# Altium PCB EEGV3.0.PcbDoc (part 1 of 2)
Units mm, origin at the board's own origin, x right, y up, seen from the top; angles counter-clockwise.
Board outline 93 x 76.97 mm, 2 copper layers (Top Layer, Bottom Layer); 182 components, 138 nets, 724 pads, 593 vias.
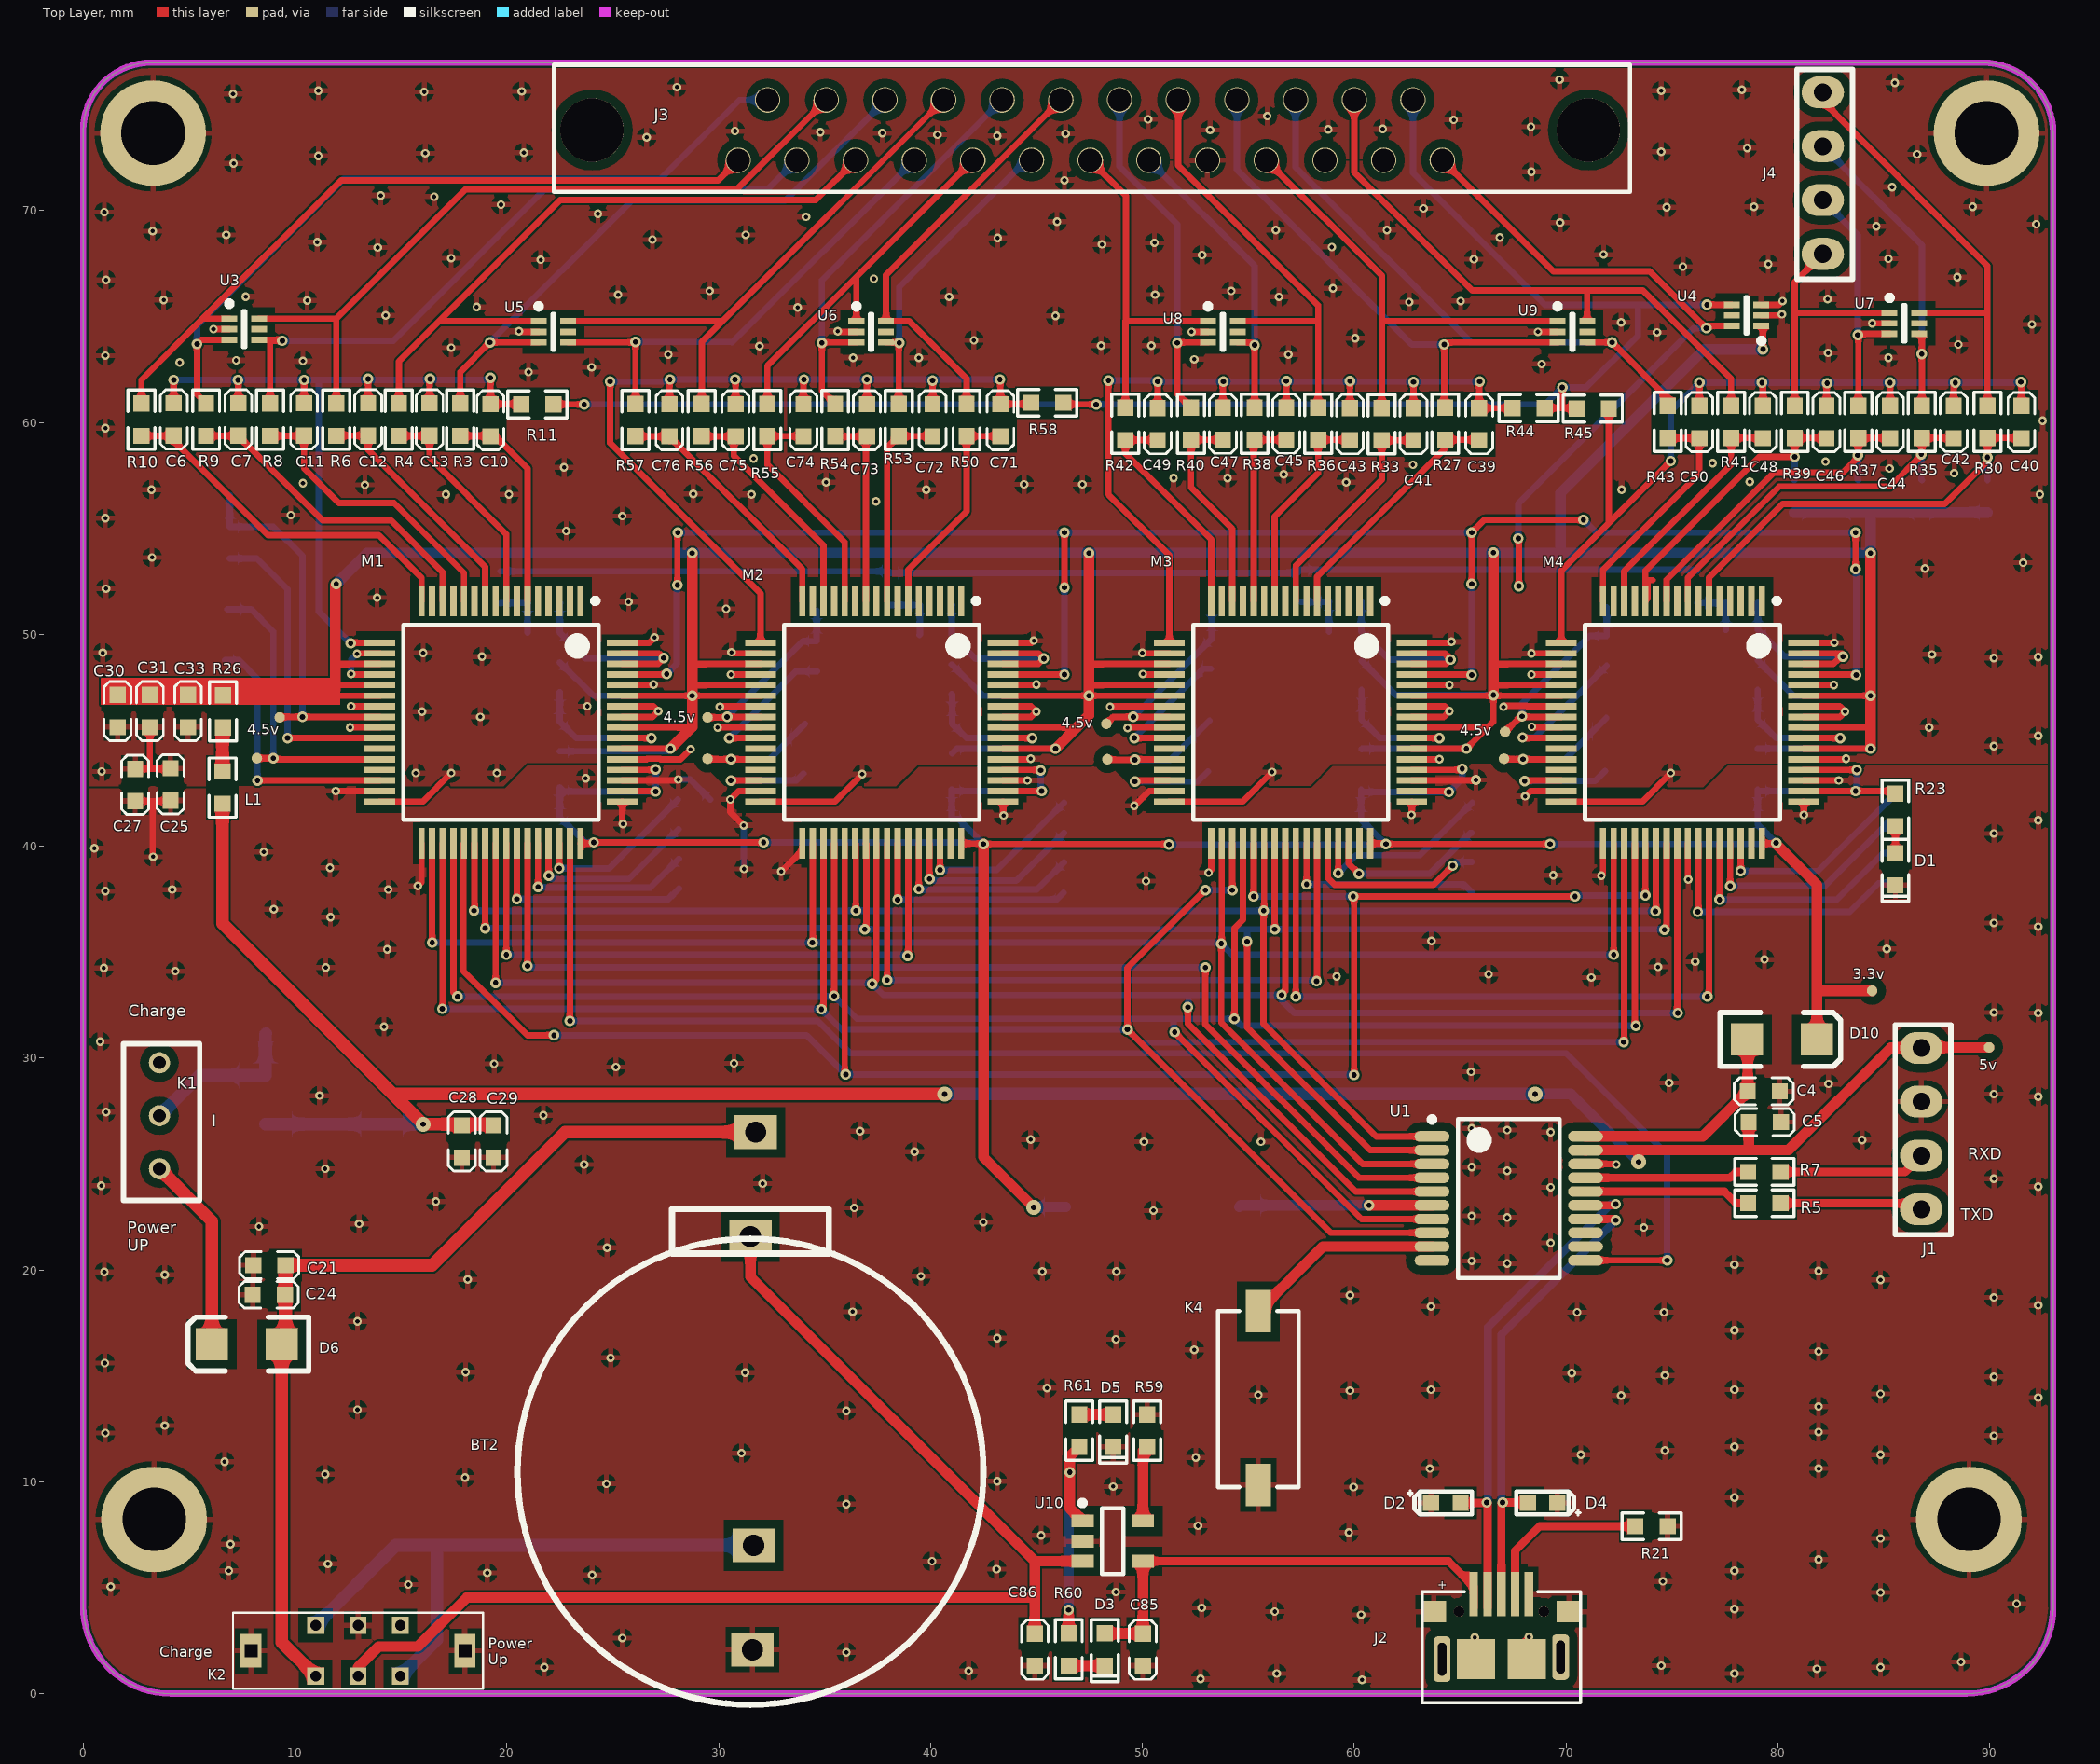
[diagram p0: Top Layer view]
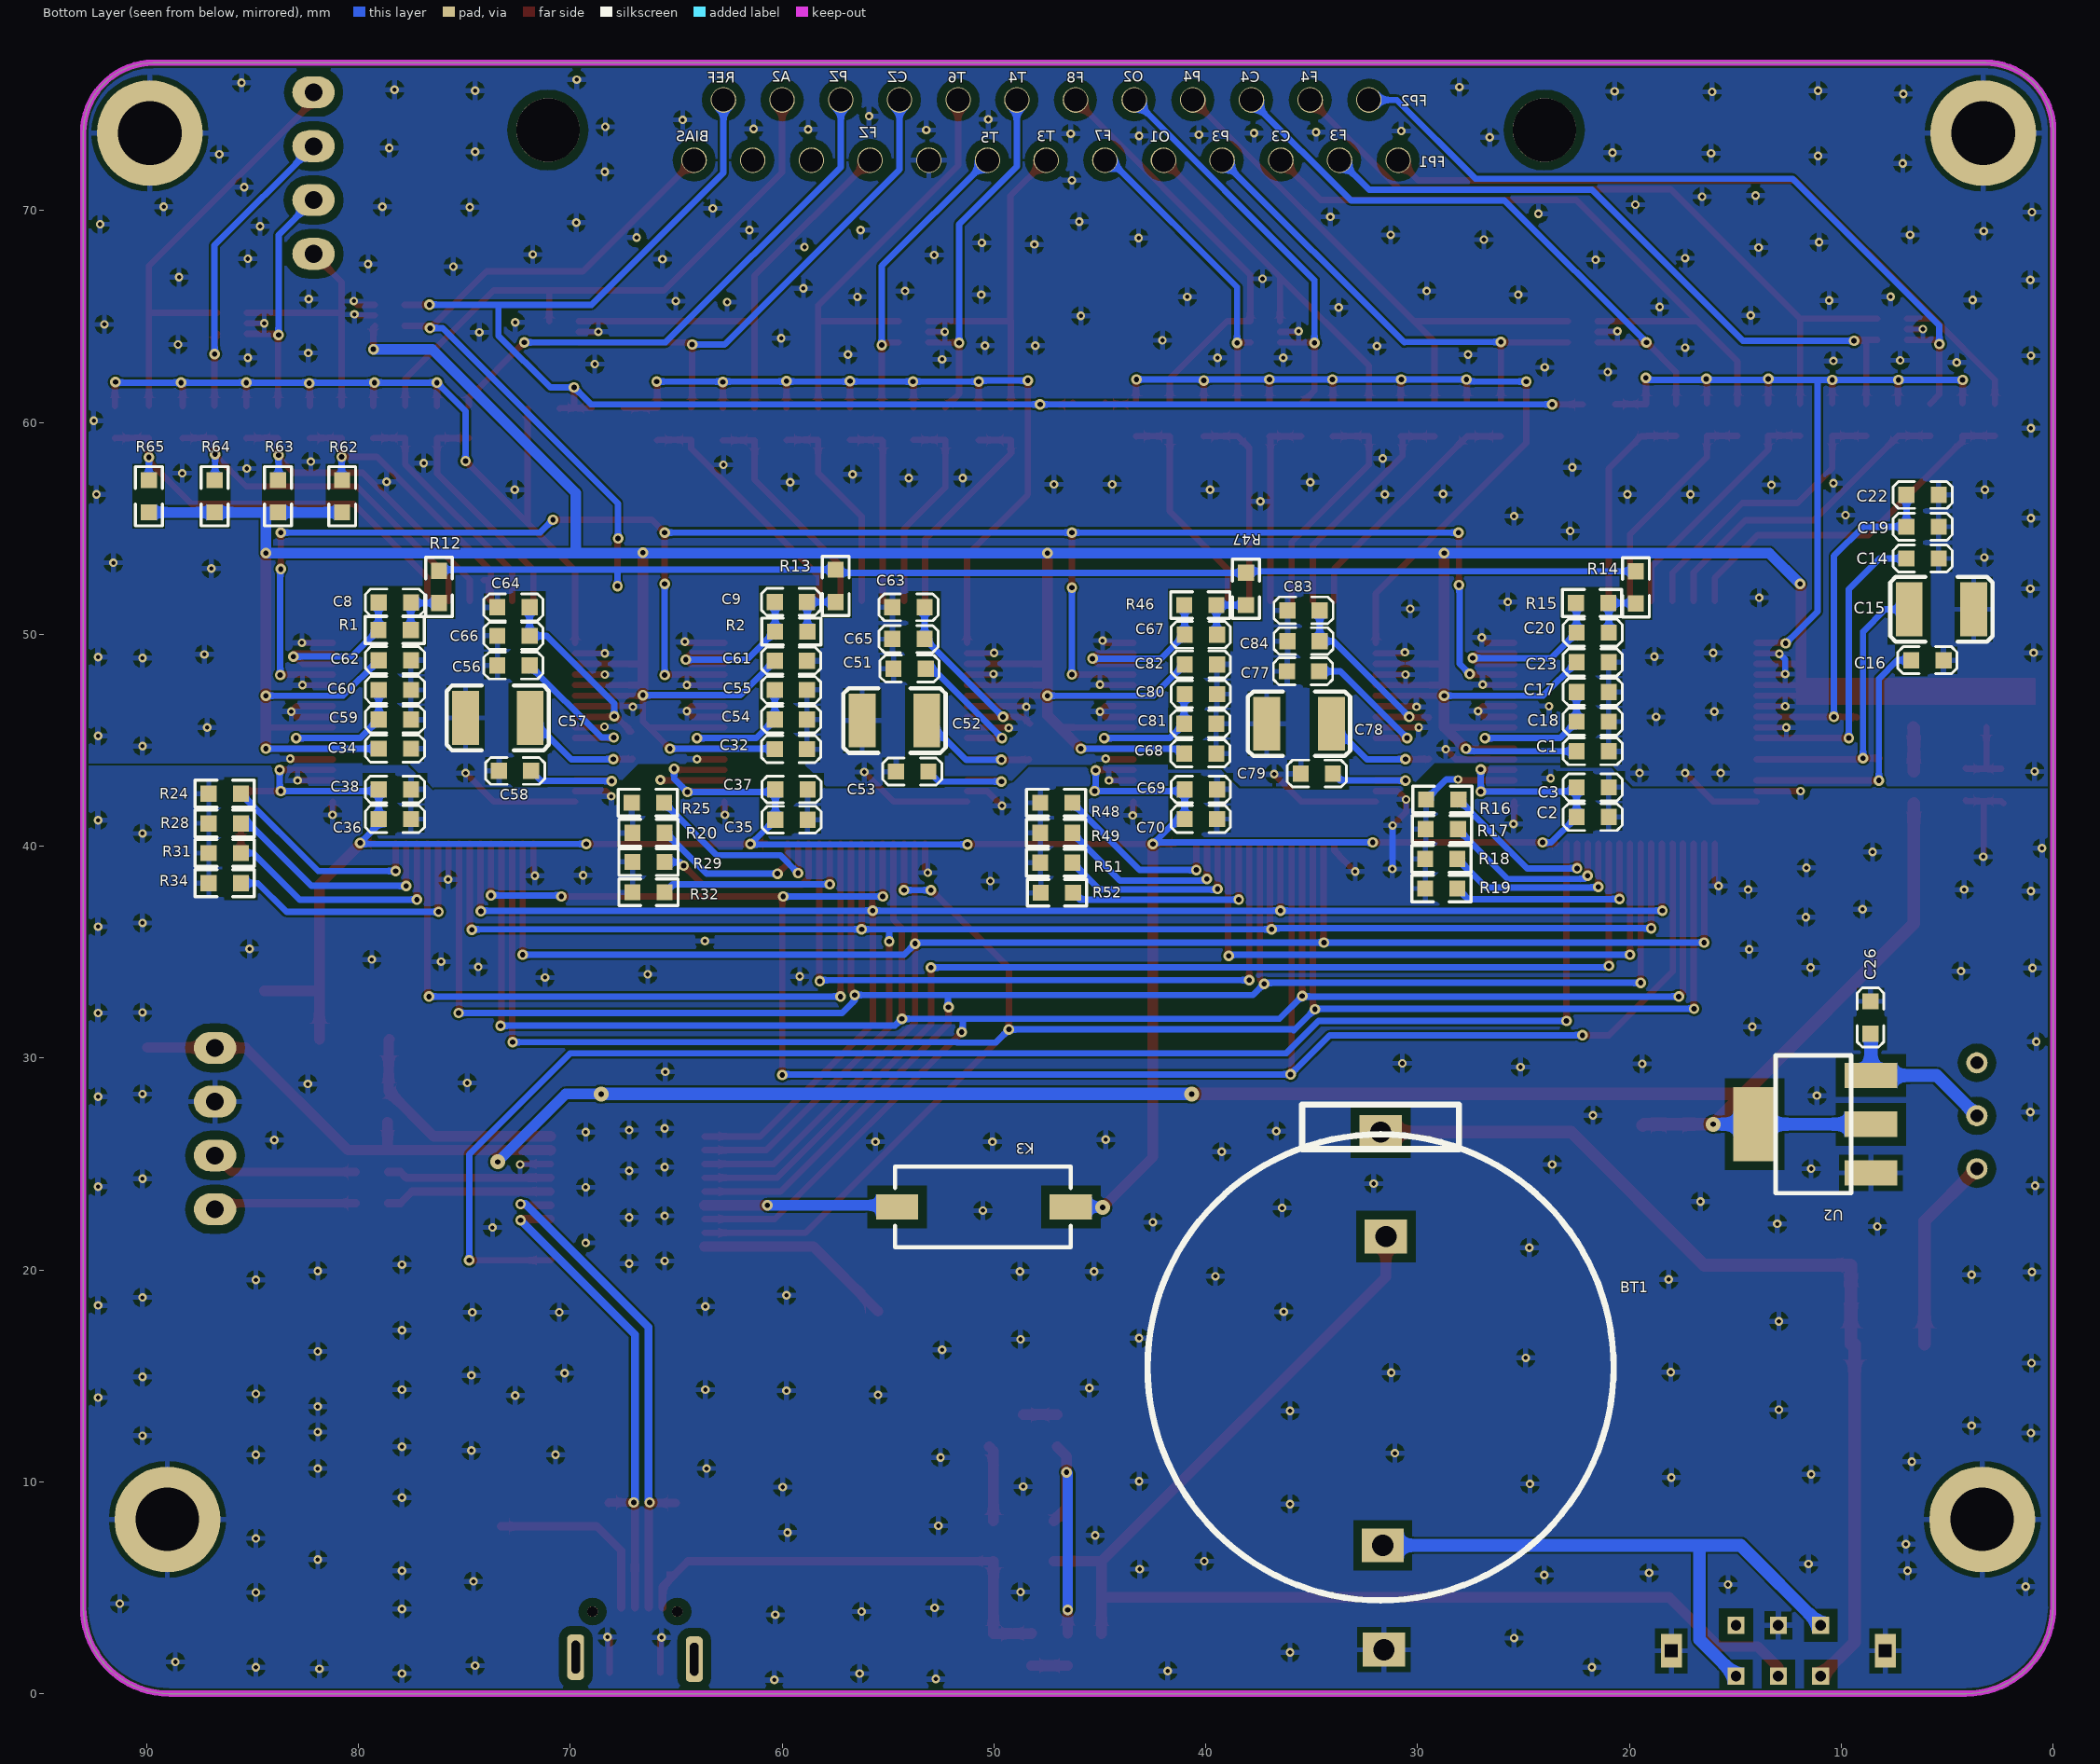
[diagram p1: Bottom Layer view, seen from below]
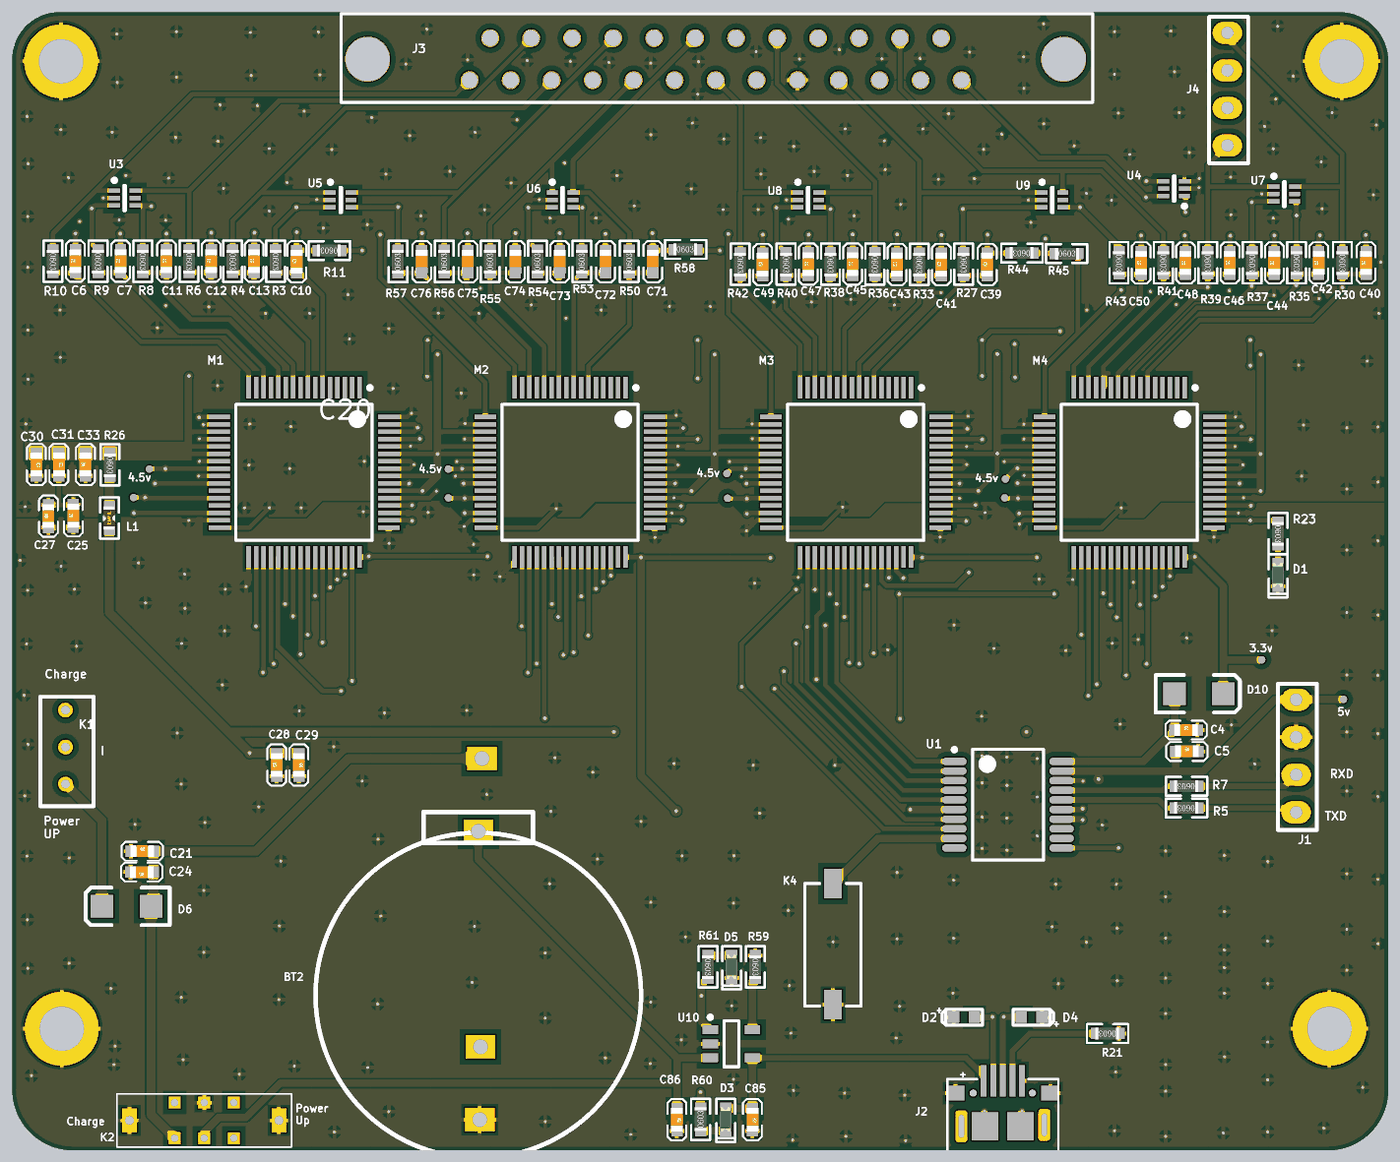
[diagram p3: 3D render of the assembled board from above, using the file's embedded part models]
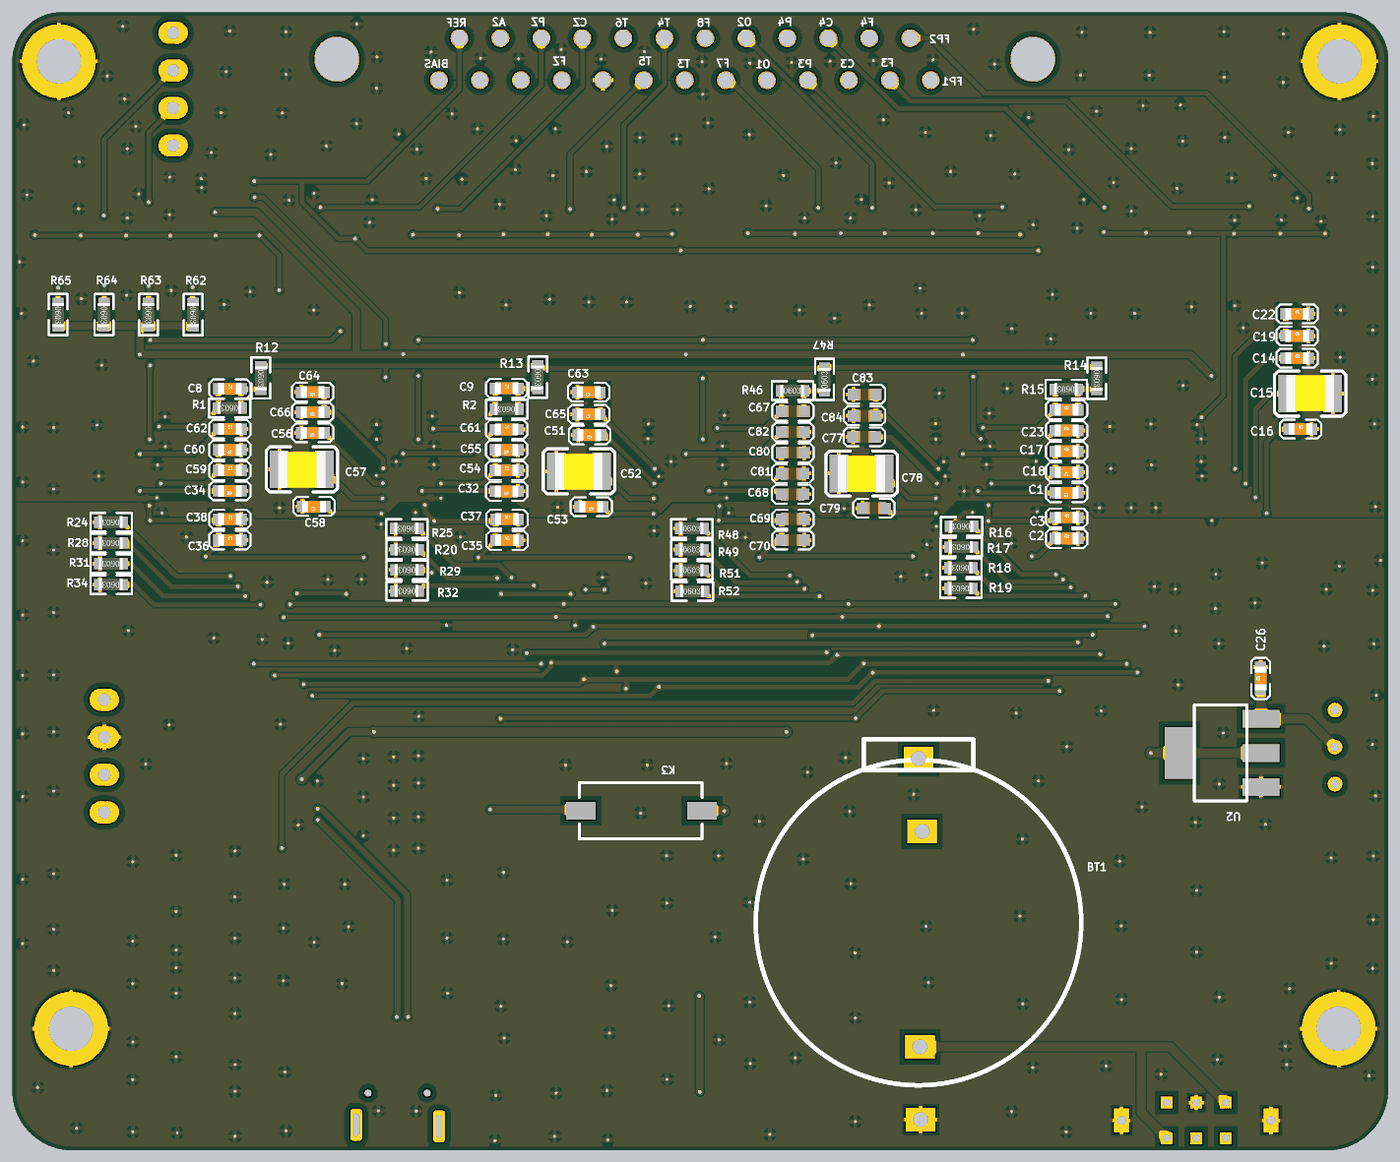
[diagram p4: 3D render of the assembled board from below, using the file's embedded part models]

## Layer stack, top to bottom
Top Solder: solder mask 0.0102, Solder Resist, Dk 3.5
Top Layer: signal copper 0.0356
Dielectric 1: dielectric 0.32, FR-4, Dk 4.8
Bottom Layer: signal copper 0.0356
Bottom Solder: solder mask 0.0102, Solder Resist, Dk 3.5

## Board outline
0,4.125 0,73.775 cw(c3.2,73.775) 3.2,76.975 89.675,76.975 cw(c89.675,73.65) 93,73.65 93,4.075 cw(c88.925,4.075) 88.925,0 4.125,0 cw(c4.125,4.125)

## Design rules (kind name [scope] priority, off if disabled: settings)
Clearance [All] p1: gap=0.1 except(0.4: SMDPad-Poly THPad-Poly)
HoleSize [All] p1: absolutevalues=TRUE maxlimit=2.54 minlimit=0 maxpercent=80.000 minpercent=20.000
HoleToHoleClearance [All] p1: gap=0 allowstackedmicrovias=TRUE
MinimumSolderMaskSliver [All] p1: minsoldermaskwidth=0
PlaneConnect [ISVIA] p1: planeconnectstyle=Relief reliefexpansion=0.508 reliefentries=4 reliefconductorwidth=0.254 reliefairgap=0.254
PolygonConnect [All] p1: connectstyle=Relief reliefconductorwidth=0.254 reliefentries=4 polygonreliefangle="90 Angle" airgapwidth=0.254
RoutingVias [All] p1: holewidth=0.254 width=0.5 viastyle="Through Hole" minholewidth=0.254 minwidth=0.5 maxholewidth=0.3 maxwidth=0.8
SilkToSilkClearance [All] p1: silktosilkclearance=0
SilkToSolderMaskClearance [IsPad] p1: minsilkscreentomaskgap=0 clearancetoexposedcopper=TRUE
SolderMaskExpansion [All] p1: expansion=0.102
Width [All] p1: maxlimit=0.8 minlimit=0.254 preferedwidth=0.5
24 further rules are at their usual default settings.

## Components (designator, comment, footprint, x,y, rotation, side; value= is the part's Value field where it differs from the comment)
BT1 "Li-battery" LIR2032 31.75,26.5 r0 bottom
BT2 "Li-battery" LIR2032 31.5,21.575 r180 top
C1 "105K16V" C0603 20.976,44.475 r0 bottom
C2 "104K50V" C0603 22.5,41.375 r180 bottom
C3 "105K16V" C0603 22.5,42.775 r180 bottom
C4 "335J10V" C0603 78.576,28.425 r0 top
C5 "104K50V" C0603 78.626,26.975 r0 top
C6 "102K10V" C0603 4.275,59.376 r90 top
C7 "102K10V" C0603 7.325,59.376 r90 top
C8 "102K10V" C0603 79.049,51.5 r180 bottom
C9 "102K10V" C0603 60.349,51.525 r180 bottom
C10 "102K10V" C0603 19.225,59.338 r90 top
C11 "102K10V" C0603 10.425,59.376 r90 top
C12 "102K10V" C0603 13.45,59.376 r90 top
C13 "102K10V" C0603 16.35,59.376 r90 top
C14 "105K16V" C0603 6.924,53.575 r180 bottom
C15 "100Uf" C1210 6.8,51.175 r180 bottom
C16 "105K16V" C0603 6.7,48.775 r180 bottom
C17 "105K16V" C0603 22.5,47.275 r180 bottom
C18 "104K50V" C0603 20.976,45.875 r0 bottom
C19 "106K50V" C0603 6.924,55.075 r180 bottom
C20 "102K10V" C0603 22.5,50.075 r180 bottom
C21 "104K50V" C0603 8.025,20.225 r0 top
C22 "104K50V" C0603 6.924,56.575 r180 bottom
C23 "105K16V" C0603 22.5,48.675 r180 bottom
C24 "106K50V" C0603 9.524,18.825 r180 top
C25 "105K16V" C0603 4.125,42.151 r90 top
C26 "104K50V" C0603 8.625,31.151 r90 bottom
C27 "105K16V" C0603 2.45,42.125 r90 top
C28 "106K50V" C0603 17.875,25.3 r90 top
C29 "104K50V" C0603 19.375,26.824 r270 top
C30 "105K16V" C0603 1.625,47.138 r270 top
C31 "104K50V" C0603 3.15,47.138 r270 top
C32 "105K16V" C0603 58.825,44.575 r0 bottom
C33 "106K50V" C0603 4.95,45.614 r90 top
C34 "105K16V" C0603 77.525,44.6 r0 bottom
C35 "104K50V" C0603 60.325,41.25 r180 bottom
C36 "104K50V" C0603 79.049,41.275 r180 bottom
C37 "105K16V" C0603 60.325,42.675 r180 bottom
C38 "105K16V" C0603 79.049,42.675 r180 bottom
C39 "102K10V" C0603 65.9,59.151 r90 top
C40 "102K10V" C0603 91.5,59.251 r90 top
C41 "102K10V" C0603 62.8,59.151 r90 top
C42 "102K10V" C0603 88.3,59.251 r90 top
C43 "102K10V" C0603 59.8,59.151 r90 top
C44 "102K10V" C0603 85.3,59.251 r90 top
C45 "102K10V" C0603 56.8,59.175 r90 top
C46 "102K10V" C0603 82.3,59.251 r90 top
C47 "102K10V" C0603 53.8,59.175 r90 top
C48 "102K10V" C0603 79.3,59.251 r90 top
C49 "102K10V" C0603 50.725,59.151 r90 top
C50 "102K10V" C0603 76.3,59.251 r90 top
C51 "105K16V" C0603 53.226,48.375 r0 bottom
C52 "100Uf" C1210 53.175,45.925 r0 bottom
C53 "105K16V" C0603 53.101,43.525 r0 bottom
C54 "105K16V" C0603 60.349,45.975 r180 bottom
C55 "104K50V" C0603 58.825,47.375 r0 bottom
C56 "105K16V" C0603 71.926,48.525 r0 bottom
C57 "100Uf" C1210 71.902,46.05 r0 bottom
C58 "105K16V" C0603 71.851,43.55 r0 bottom
C59 "105K16V" C0603 79.049,45.975 r180 bottom
C60 "104K50V" C0603 77.525,47.375 r0 bottom
C61 "105K16V" C0603 60.349,48.75 r180 bottom
C62 "105K16V" C0603 79.049,48.775 r180 bottom
C63 "106K50V" C0603 53.276,51.275 r0 bottom
C64 "106K50V" C0603 71.926,51.275 r0 bottom
C65 "104K50V" C0603 53.276,49.775 r0 bottom
C66 "104K50V" C0603 71.926,49.925 r0 bottom
C67 "102K10V" C0603 41,49.975 r180 bottom
C68 "105K16V" C0603 39.5,44.375 r0 bottom
C69 "104K50V" C0603 41,42.675 r180 bottom
C70 "105K16V" C0603 41,41.275 r180 bottom
C71 "102K10V" C0603 43.3,59.338 r90 top